# KiCad board hoember_panel.kicad_pcb (continued)
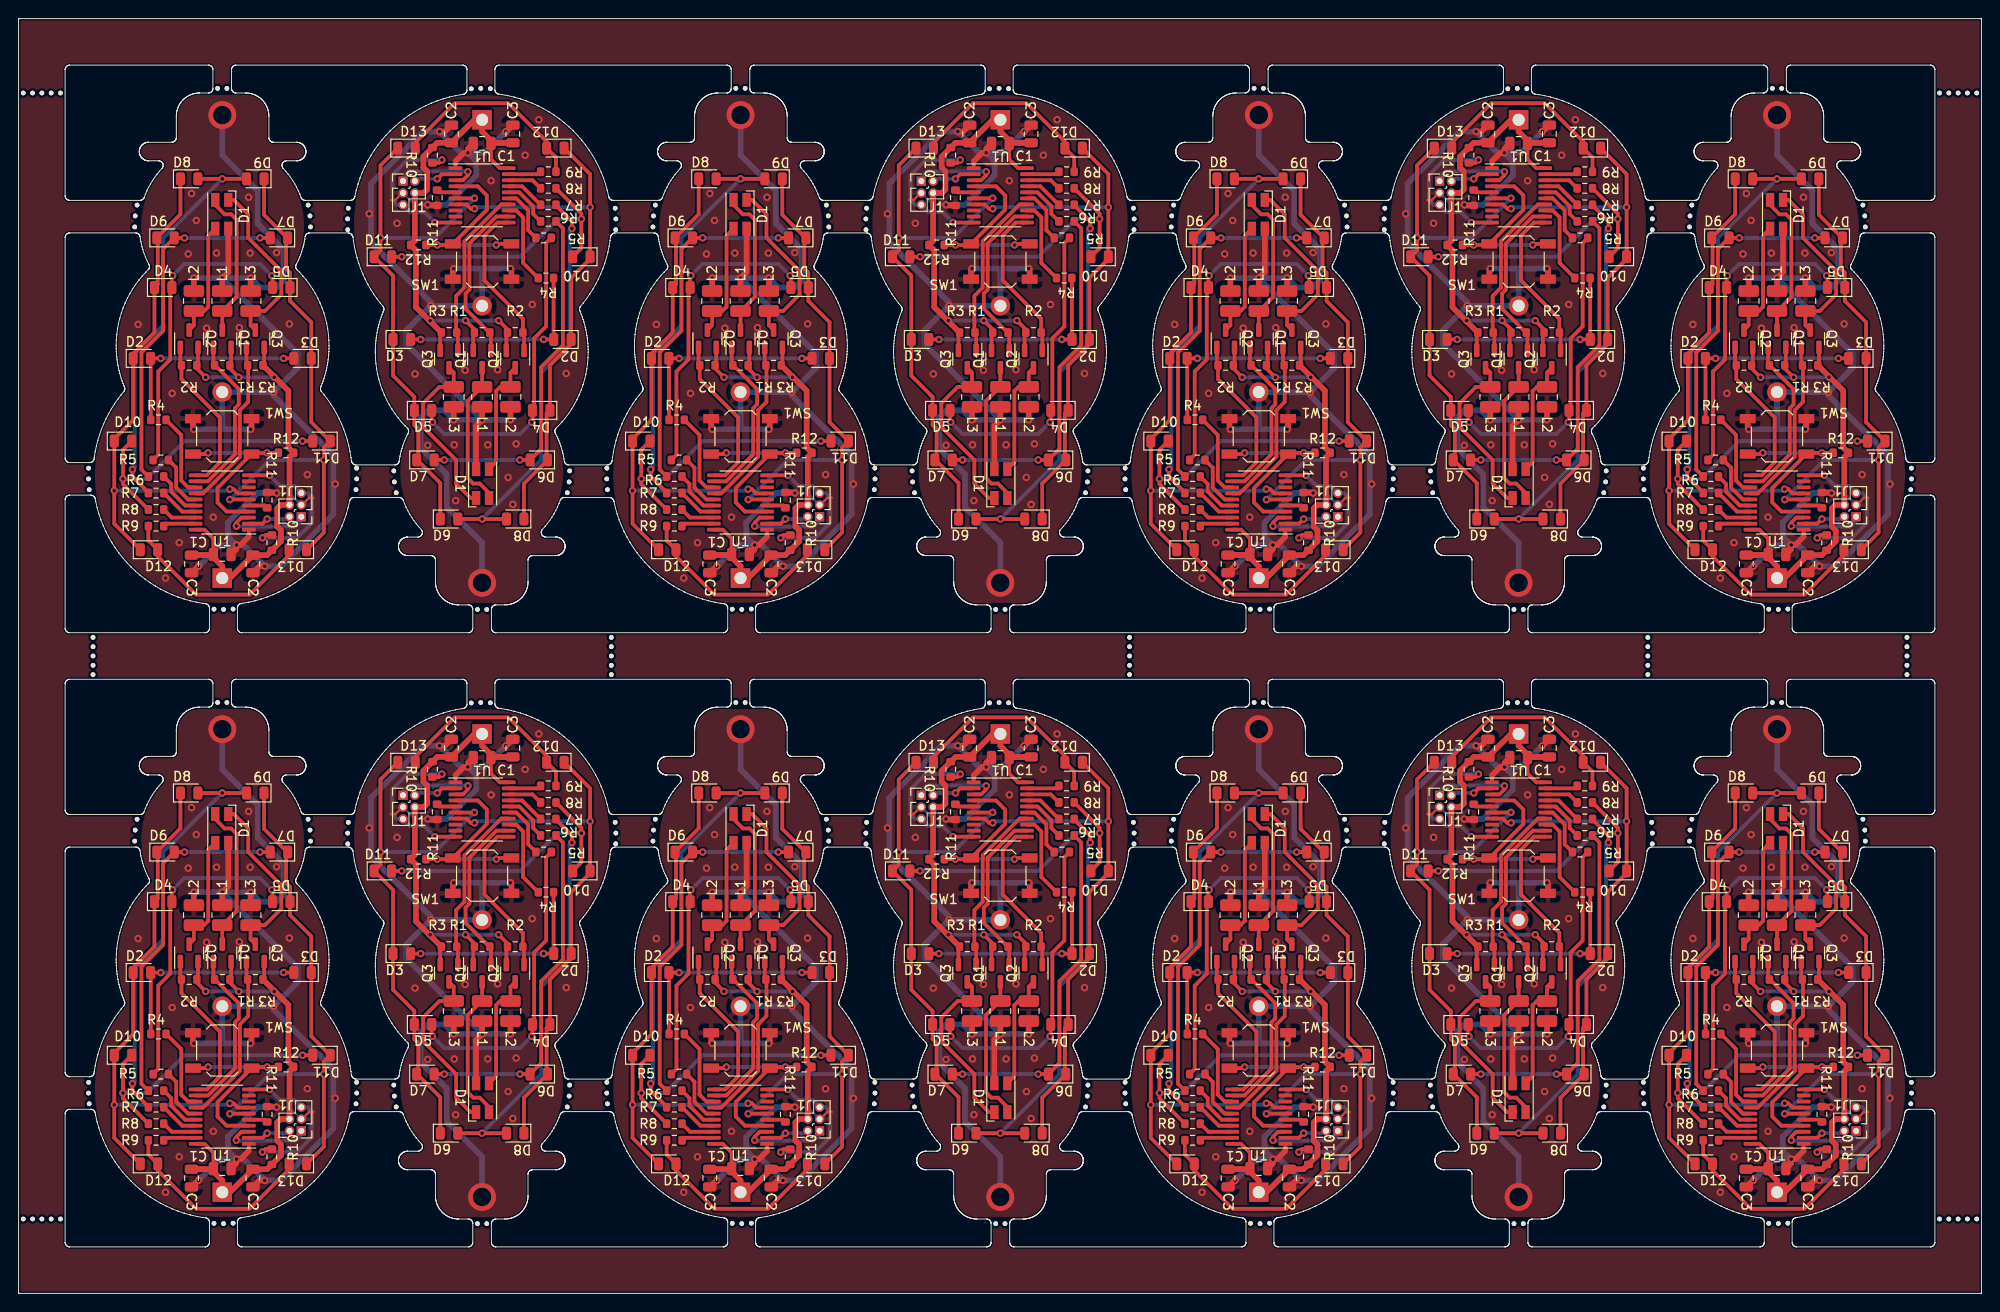
[diagram p0: board, top side]
## Routing (per net, layer and track width the routed paths; a pad name or vN(x,y) marks a point on that pad's centre or on a via; arc(x,y) is an arc through that point) (continued)
Board_2-/G: length 18.6
  Top w0.406: U1#6.14 75.53,86.01 79.49,89.97 79.49,94.95 80.38,95.85 80.38,99.73 R3#13.2 80.2,99.92 Q3#14.1
Board_2-/L1: length 9
  Top w0.406: U1#6.13 73.93,86.66 73.19,87.4 73.19,92.3 R4#9.2
Board_2-/L2: length 5.9
  Top w0.406: U1#6.15 73.93,85.36 72.64,86.65 72.64,88.78 R5#4.2
Board_2-/L3: length 5.2
  Top w0.406: R6#13.2 72.11,87.03 72.11,86.21 73.6,84.71 U1#6.16
Board_2-/L4: length 4.2
  Top w0.406: R7#13.2 73.29,84.06 U1#6.17
Board_2-/L5: length 3.8
  Top w0.406: R8#9.2 72.17,83.41 U1#6.18
Board_2-/L6: length 3.5
  Top w0.406: U1#6.19 71.57,82.76 R9#11.2
Board_2-/MPX1: length 58.3
  Top w0.406: D5#12.1 84.88,109.75 84.45,110.18 84.45,113.31 D7#14.1 84.57,113.49 82.08,115.98 D9#14.1 ; D5#12.1 84.62,108.41 ; D5#12.1 84.88,106.71 87.16,104.42 D3#8.1 87.16,93.68 D11#4.1 88.51,90.96 88.51,81.82 D13#2.1 ; U1#6.6 78.43,85.36 v1(78.42,85.35)
  Bottom w0.406: v1(78.42,85.35) 79.16,86.09 79.16,86.09 82.67,89.61 v1(88.51,89.61)
Board_2-/MPX2: length 59
  Top w0.406: v1(78.41,86.48) 78.81,86.48 79.28,86.01 U1#6.7 ; D12.1 65.99,82.75 v1(65.99,86.31) D10#9.1 65.99,91.87 68.02,93.91 D2#6.1 68.02,101.03 70.3,103.32 D4#7.1 70.66,108.51 70.66,113.62 ; D8#2.1 73.1,116.03 D6.1
  Bottom w0.406: 78.32,86.56 v1(78.41,86.48) 78.24,86.31 v1(65.99,86.31)
Board_2-/nRST: length 17.6
  Top w0.406: v1(81.91,81.23) 82.23,81.55 R10#2.2 ; v1(82.67,87.96) U1#6.10
  Bottom w0.406: v1(82.67,87.96) 83.82,86.82 85.32,86.82 J1#10.5 86.74,86.05 87.24,85.55 87.24,82.86 85.62,81.23 v1(81.91,81.23)
Board_2-/R: length 17.3
  Top w0.406: Q2#9.1 73.08,99.92 R2#5.2 73.21,98.31 77.34,94.18 77.34,89.36 75.94,87.96 U1#6.11
Board_2-/SWC: length 9.6
  Top w0.406: U1#6.3 79.65,83.41 79.11,82.88 v1(79.11,82.5)
  Bottom w0.406: v1(79.11,82.5) 79.16,82.46 85.42,82.46 86.09,83.12 J1#10.1
Board_2-/SWD: length 4.7
  Top w0.406: v1(82.42,83.26) 81.92,82.76 U1#6.2
  Bottom w0.406: J1#10.2 84.57,83.26 v1(82.42,83.26)
Board_2-GND: length 131.7
  Top w0.254: J1#10.3 86.17,84.78 86.94,85.55 87.4,85.55
  Top w0.406: U1#6.1 80.45,81.36
  Top w0.61: SW1#9.2 80.74,93.02 v1(80.64,92.91) 80.64,93.17 ; v1(83.43,86.06) 83.37,86.12 R11#5.1 ; L2#8.2 v1(74.54,109.17) ; C2.2 81.59,78.18 v1(82.16,78.18) ; SW1#9.2 74.44,93.02 v1(74.54,92.91) ; v1(75.05,78.18) 74.98,78.18 C3#7.2 ; C1#7.1 79.11,80.03 v1(79.11,80.47) 79.56,80.47 80.45,81.36 ; L1#3.2 v1(77.59,109.17) 78.24,109.82 D1#7.1 ; L3#9.2 v1(80.64,109.17)
  Bottom w0.254: J1#10.3 86.08,84.78 84.8,86.06 v1(83.43,86.06)
  Bottom w0.61: v1(83.11,96.91) BT1#11.2 77.59,92.91 ; v1(83.11,96.91) 85.72,99.52 85.72,101.04 v1(77.59,109.17) ; v1(83.11,96.91) 83.11,96.54 89.53,90.12 89.53,87.22 v1(89.73,87.02) 89.53,86.82 89.53,83.77 83.94,78.18 v1(82.16,78.18) 79.88,80.47 v1(79.11,80.47) ; 77.59,92.91 v1(74.54,92.91) ; 77.59,92.91 v1(80.64,92.91) ; v1(79.11,80.47) 77.34,80.47 v1(75.05,78.18) ; v1(79.11,80.47) 78.21,81.37 78.21,82.87 81.39,86.06 v1(83.43,86.06) ; v2(77.6,126.7) 77.6,122.37 81.4,118.57 81.4,115.02 84.19,112.23 84.19,108.92 83.43,108.15 81.65,108.15 v1(80.64,109.17) v1(74.54,109.17)
  vias: v1(68.55,104.19) v1(71.49,76.91) v1(72.21,96.77) v1(72.97,80.72) v1(73.93,111.76) v1(74.29,118.26) v1(74.8,115.37) v1(75.91,103.78) v1(76.63,83.46) v1(76.98,111.86) v1(79.42,103.84) v1(80.44,117.86) v1(80.59,111.86) v1(83.43,111.91) v1(84.8,104.24) v1(86.73,88.04)
Board_2-Net-(D1-BK): length 16
  Top w0.406: Q1#13.3 L1#3.1 77.63,105.63 79.14,107.14 79.14,115.45 78.56,116.03 77.84,116.03 76.84,117.03 D1#7.4
Board_2-Net-(D1-GK): length 19.2
  Top w0.406: D1#7.3 78.83,117.58 80.38,116.03 80.38,113.49 83.94,109.93 83.94,107.39 82.18,105.63 L3#9.1 80.64,104.09 Q3#14.3
Board_2-Net-(D1-RK): length 12.7
  Top w0.406: Q2#9.3 74.54,104.09 L2#8.1 75.64,105.63 76.09,106.08 76.09,113.73 D1#7.2
Board_2-Net-(D2-A): length 22.4
  Top w0.406: D2#6.2 69.91,100.52 R4#9.1 ; D2#6.2 69.97,100.46 ; D2#6.2 v1(70.99,100.53) 70.73,100.53 ; D3#8.2 v1(84.19,100.53)
  Bottom w0.406: v1(70.99,100.53) v1(84.19,100.53)
Board_2-Net-(D4-A): length 33.8
  Top w0.406: D4#7.2 72,107.98 72,100.41 70.71,99.12 70.71,90.16 R5#4.1 ; D4#7.2 72.18,109.35 v1(72.26,109.42) ; D4#7.2 72.26,108.08 ; D5#12.2 83,109.35 v1(82.92,109.42)
  Bottom w0.406: v1(72.26,109.42) 73.53,110.69 81.65,110.69 v1(82.92,109.42)
Board_2-Net-(D6-A): length 38
  Top w0.406: D7#14.2 v1(81.65,113.49) 81.91,113.49 ; v1(73.53,113.49) D6.2 71.24,112.3 71.24,103.5 68.91,101.17 68.91,88.58 R6#13.1
  Bottom w0.406: v1(73.53,113.49) v1(81.65,113.49)
Board_2-Net-(D8-A): length 43.8
  Top w0.406: R7#13.1 69.72,86.06 67.94,87.83 v1(67.94,88.6) ; D9#14.2 v1(77.59,119.84) D8#2.2
  Bottom w0.406: v1(77.59,119.84) 71.24,113.49 71.24,104.09 68.19,101.04 68.19,88.85 v1(67.94,88.6)
Board_2-Net-(D10-A): length 31.2
  Top w0.406: 86.48,91.64 v1(86.23,91.64) D11#4.2 ; R8#9.1 66.92,87.01 v1(66.92,87.58) 66.92,90.71 D10#9.2
  Bottom w0.406: v1(86.23,91.64) 73.53,91.64 69.46,87.58 v1(66.92,87.58)
Board_2-Net-(D12-A): length 21.8
  Top w0.406: D13#2.2 84.78,79.38 80.54,75.13 74.78,75.13 70.65,79.26 D12.2 69.65,80.96 R9#11.1
Board_2-Net-(SW1A-A): length 21.5
  Top w0.406: v1(76.07,90.37) 75.94,90.25 SW1#9.1 ; U1#6.4 78.06,84.06 77.08,85.04 77.08,86.59 SW1#9.1 80.86,90.37 v1(82.42,90.37) R12#14.1
  Bottom w0.406: v1(82.42,90.37) v1(76.07,90.37)
Board_2-Net-(U1-PB6/PF4-BOOT0): length 2.1
  Top w0.406: R11#5.2 82.17,84.71 U1#6.5
Board_2-VCC: length 58.1
  Top w0.406: Q1#13.2 78.54,99.92 R1#9.1 78.42,99.45 v1(79.37,98.5) ; Q2#9.2 74.98,99.92 R2#5.1 74.86,99.45 v1(75.81,98.5) ; Q3#14.2 82.1,99.92 R3#13.1 ; U1#6.20 75.69,82.11 76.64,81.16 C1#7.2
  Top w0.61: 84.57,84.78 83.86,84.78 83.5,84.42 83.5,82.45 83.9,82.04 83.9,80.88 R10#2.1 82.41,79.39 C2.1 78.42,76.91 BT1#11.1 77.59,78.18 76.39,79.39 C3#7.1 76.57,79.39 C1#7.2 ; J1#10.4 84.82,89.92 R12#14.2 84.7,90.94 84.7,97.06 R3#13.1 ; 77.6,76.91 77.02,76.91
  Bottom w0.406: v1(75.81,98.5) v1(83.18,98.5)
Board_3-/B: length 18.2
  Top w0.406: U1#7.12 107.06,115.79 104.16,112.89 104.16,107.93 103.74,107.51 103.74,105.87 106.3,103.31 R1#4.2 106.47,103.19 Q1#8.1
Board_3-/G: length 18.6
  Top w0.406: Q3#5.1 102.92,103.19 R3#9.2 102.73,103.37 102.73,107.25 103.63,108.15 103.63,113.13 107.58,117.09 U1#7.14
Board_3-/L1: length 9
  Top w0.406: R4#10.2 109.93,110.8 109.93,115.7 109.19,116.44 U1#7.13
Board_3-/L2: length 5.9
  Top w0.406: U1#7.15 109.19,117.74 110.47,116.45 110.47,114.32 R5#6.2
Board_3-/L3: length 5.2
  Top w0.406: R6#8.2 111.01,116.07 111.01,116.9 109.52,118.39 U1#7.16
Board_3-/L4: length 4.2
  Top w0.406: U1#7.17 109.82,119.04 R7#3.2
Board_3-/L5: length 3.8
  Top w0.406: R8.2 110.95,119.69 U1#7.18
Board_3-/L6: length 3.5
  Top w0.406: R9#3.2 111.54,120.34 U1#7.19
Board_3-/MPX1: length 58.3
  Top w0.406: D13#8.1 94.6,121.29 94.6,112.14 D11#2.1 95.95,109.43 D3#6.1 95.95,98.68 98.24,96.39 D5#9.1 ; 98.49,94.69 D5#9.1 ; D5#9.1 98.24,93.35 98.66,92.92 98.66,89.79 D7#6.1 98.54,89.61 101.03,87.12 D9#8.1 ; v1(104.7,117.75) 104.68,117.74 U1#7.6
  Bottom w0.406: v1(94.6,113.49) 100.44,113.49 103.96,117.01 103.96,117.01 v1(104.7,117.75)
Board_3-/MPX2: length 59
  Top w0.406: v1(104.7,116.62) 104.3,116.62 103.84,117.09 U1#7.7 ; D6#7.1 110.02,87.07 D8#7.1 ; 112.45,89.49 112.45,94.59 D4#13.1 112.81,99.78 115.1,102.07 D2#7.1 115.1,109.2 117.13,111.23 D10#2.1 v1(117.13,116.79) 117.13,120.35 D12#14.1
  Bottom w0.406: v1(117.13,116.79) 104.87,116.79 v1(104.7,116.62) 104.79,116.54
Board_3-/nRST: length 17.6
  Top w0.406: v1(101.2,121.87) 100.89,121.56 R10#13.2 ; v1(100.44,115.14) U1#7.10
  Bottom w0.406: v1(100.44,115.14) 99.3,116.28 97.79,116.28 J1#13.5 96.37,117.05 95.87,117.55 95.87,120.24 97.5,121.87 v1(101.2,121.87)
Board_3-/R: length 17.3
  Top w0.406: Q2#8.1 110.03,103.19 R2#3.2 109.9,104.79 105.78,108.92 105.78,113.74 107.17,115.14 U1#7.11
Board_3-/SWC: length 9.6
  Top w0.406: v1(104,120.6) 104,120.22 103.46,119.69 U1#7.3
  Bottom w0.406: v1(104,120.6) 103.96,120.64 97.69,120.64 97.02,119.98 J1#13.1
Board_3-/SWD: length 4.7
  Top w0.406: v1(100.7,119.84) 101.19,120.34 U1#7.2
  Bottom w0.406: J1#13.2 98.54,119.84 v1(100.7,119.84)
Board_3-GND: length 131.7
  Top w0.254: J1#13.3 96.94,118.32 96.18,117.55 95.72,117.55
  Top w0.406: U1#7.1 102.66,121.74
  Top w0.61: L2#11.2 v1(108.57,93.93) ; v1(99.68,117.05) 99.74,116.98 R11#10.1 ; SW1#10.2 102.37,110.09 v1(102.47,110.19) 102.47,109.93 ; D1#3.1 104.87,93.28 v1(105.52,93.93) L1#4.2 ; C2#3.2 101.52,124.92 v1(100.95,124.92) ; 102.66,121.74 103.56,122.63 v1(104,122.63) 104,123.08 C1#8.1 ; SW1#10.2 108.67,110.09 v1(108.57,110.19) ; L3#8.2 v1(102.47,93.93) ; v1(108.06,124.92) 108.13,124.92 C3#4.2
  Bottom w0.254: J1#13.3 97.03,118.32 98.31,117.05 v1(99.68,117.05)
  Bottom w0.61: v1(100,106.19) 100,106.57 93.58,112.98 93.58,115.88 v1(93.38,116.08) 93.58,116.28 93.58,119.33 99.17,124.92 v1(100.95,124.92) 103.24,122.63 v1(104,122.63) ; v1(100,106.19) 97.39,103.58 97.39,102.06 v1(105.52,93.93) ; v1(100,106.19) BT1#3.2 105.52,110.19 ; v1(108.06,124.92) 105.78,122.63 v1(104,122.63) ; 105.52,110.19 v1(102.47,110.19) ; 105.52,110.19 v1(108.57,110.19) ; v1(108.57,93.93) v1(102.47,93.93) 101.46,94.95 99.68,94.95 98.92,94.19 98.92,90.87 101.71,88.08 101.71,84.53 105.51,80.73 v2(105.51,76.41) ; v1(104,122.63) 104.9,121.73 104.9,120.23 101.72,117.05 v1(99.68,117.05)
  vias: v1(96.38,115.06) v1(98.31,98.86) v1(99.68,91.19) v1(102.53,91.24) v1(102.68,85.25) v1(103.69,99.27) v1(106.13,91.24) v1(106.49,119.64) v1(107.2,99.32) v1(108.32,87.73) v1(108.82,84.84) v1(109.18,91.34) v1(110.15,122.38) v1(110.91,106.33) v1(111.62,126.19) v1(114.57,98.91)
Board_3-Net-(D1-BK): length 16
  Top w0.406: D1#3.4 106.27,86.07 105.27,87.07 104.56,87.07 103.98,87.65 103.98,95.96 105.48,97.47 L1#4.1 Q1#8.3
Board_3-Net-(D1-GK): length 19.2
  Top w0.406: D1#3.3 104.28,85.52 102.73,87.07 102.73,89.61 99.17,93.17 99.17,95.71 100.93,97.47 L3#8.1 102.47,99.01 Q3#5.3
Board_3-Net-(D1-RK): length 12.7
  Top w0.406: D1#3.2 107.03,89.38 107.03,97.02 107.47,97.47 L2#11.1 108.57,99.01 Q2#8.3
Board_3-Net-(D2-A): length 22.4
  Top w0.406: R4#10.1 113.21,102.58 D2#7.2 ; D3#6.2 v1(98.92,102.57) ; D2#7.2 v1(112.13,102.57) 112.38,102.57 ; D2#7.2 113.14,102.65
  Bottom w0.406: v1(112.13,102.57) v1(98.92,102.57)
Board_3-Net-(D4-A): length 33.8
  Top w0.406: v1(110.86,93.68) 110.94,93.76 D4#13.2 ; v1(100.19,93.68) 100.11,93.76 D5#9.2 ; 110.86,95.03 D4#13.2 ; D4#13.2 111.11,95.12 111.11,102.69 112.4,103.98 112.4,112.94 R5#6.1
  Bottom w0.406: v1(110.86,93.68) 109.59,92.41 101.46,92.41 v1(100.19,93.68)
Board_3-Net-(D6-A): length 38
  Top w0.406: D7#6.2 v1(101.46,89.61) 101.2,89.61 ; v1(109.59,89.61) D6#7.2 111.87,90.81 111.87,99.6 114.21,101.93 114.21,114.52 R6#8.1
  Bottom w0.406: v1(109.59,89.61) v1(101.46,89.61)
Board_3-Net-(D8-A): length 43.8
  Top w0.406: R7#3.1 113.4,117.05 115.17,115.27 v1(115.17,114.51) ; D8#7.2 v1(105.52,83.26) D9#8.2
  Bottom w0.406: v1(115.17,114.51) 114.92,114.25 114.92,102.06 111.87,99.01 111.87,89.61 v1(105.52,83.26)
Board_3-Net-(D10-A): length 31.2
  Top w0.406: D10#2.2 116.19,112.4 v1(116.19,115.52) 116.19,116.09 R8.1 ; 96.63,111.46 v1(96.89,111.46) D11#2.2
  Bottom w0.406: v1(116.19,115.52) 113.65,115.52 109.59,111.46 v1(96.89,111.46)
Board_3-Net-(D12-A): length 21.8
  Top w0.406: D13#8.2 98.33,123.72 102.58,127.97 108.33,127.97 112.46,123.84 D12#14.2 113.46,122.14 R9#3.1
Board_3-Net-(SW1A-A): length 21.5
  Top w0.406: R12#9.1 v1(100.7,112.73) 102.25,112.73 SW1#10.1 106.03,116.51 106.03,118.06 105.06,119.04 U1#7.4 ; SW1#10.1 107.17,112.85 v1(107.05,112.73)
  Bottom w0.406: v1(100.7,112.73) v1(107.05,112.73)
Board_3-Net-(U1-PB6/PF4-BOOT0): length 2.1
  Top w0.406: R11#10.2 100.94,118.39 U1#7.5
Board_3-VCC: length 58.1
  Top w0.406: v1(107.3,104.6) 108.25,103.65 R2#3.1 108.13,103.19 Q2#8.2 ; Q3#5.2 101.02,103.19 R3#9.1 ; v1(103.74,104.6) 104.7,103.65 R1#4.1 104.57,103.19 Q1#8.2 ; C1#8.2 106.47,121.94 107.42,120.99 U1#7.20
  Top w0.61: 98.55,118.32 99.25,118.32 99.62,118.68 99.62,120.65 99.21,121.06 99.21,122.23 R10#13.1 100.7,123.72 C2#3.1 104.69,126.19 BT1#3.1 105.52,124.92 106.73,123.72 C3#4.1 106.54,123.72 C1#8.2 ; R3#9.1 98.41,106.04 98.41,112.16 R12#9.2 98.29,113.18 J1#13.4 ; 105.51,126.19 106.1,126.19
  Bottom w0.406: v1(107.3,104.6) v1(99.93,104.6)
Board_4-/B: length 18.2
  Top w0.406: U1#13.12 131.76,87.31 134.66,90.21 134.66,95.18 135.07,95.59 135.07,97.23 132.51,99.79 R1#5.2 132.35,99.92 Q1#5.1
Board_4-/G: length 18.6
  Top w0.406: U1#13.14 131.23,86.01 135.19,89.97 135.19,94.95 136.09,95.85 136.09,99.73 R3#11.2 135.9,99.92 Q3#3.1
Board_4-/L1: length 9
  Top w0.406: U1#13.13 129.63,86.66 128.89,87.4 128.89,92.3 R4.2
Board_4-/L2: length 5.9
  Top w0.406: U1#13.15 129.63,85.36 128.34,86.65 128.34,88.78 R5#13.2
Board_4-/L3: length 5.2
  Top w0.406: U1#13.16 129.3,84.71 127.81,86.21 127.81,87.03 R6#5.2
Board_4-/L4: length 4.2
  Top w0.406: R7#2.2 129,84.06 U1#13.17
Board_4-/L5: length 3.8
  Top w0.406: U1#13.18 127.87,83.41 R8#8.2
Board_4-/L6: length 3.5
  Top w0.406: U1#13.19 127.27,82.76 R9#6.2
Board_4-/MPX1: length 58.3
  Top w0.406: U1#13.6 134.14,85.36 v1(134.12,85.35) ; D5#7.1 140.58,106.71 142.87,104.42 D3#10.1 142.87,93.68 D11#8.1 144.22,90.96 144.22,81.82 D13#5.1 ; D5#7.1 140.58,109.75 140.15,110.18 140.15,113.31 D7#5.1 140.28,113.49 137.79,115.98 D9#13.1 ; D5#7.1 140.33,108.41
  Bottom w0.406: v1(134.12,85.35) 134.86,86.09 134.86,86.09 138.38,89.61 v1(144.22,89.61)
Board_4-/MPX2: length 59
  Top w0.406: D12#5.1 121.69,82.75 v1(121.69,86.31) D10#4.1 121.69,91.87 123.72,93.91 D2#12.1 123.72,101.03 126.01,103.32 D4#8.1 126.36,108.51 126.36,113.62 ; D6#2.1 128.8,116.03 D8#10.1 ; U1#13.7 134.98,86.01 134.52,86.48 v1(134.11,86.48)
  Bottom w0.406: 134.03,86.56 v1(134.11,86.48) 133.95,86.31 v1(121.69,86.31)
Board_4-/nRST: length 17.6
  Top w0.406: v1(138.38,87.96) U1#13.10 ; v1(137.61,81.23) 137.93,81.55 R10#14.2
  Bottom w0.406: v1(137.61,81.23) 141.32,81.23 142.95,82.86 142.95,85.55 142.44,86.05 J1#7.5 141.03,86.82 139.52,86.82 v1(138.38,87.96)
Board_4-/R: length 17.3
  Top w0.406: Q2#6.1 128.79,99.92 R2#2.2 128.91,98.31 133.04,94.18 133.04,89.36 131.65,87.96 U1#13.11
Board_4-/SWC: length 9.6
  Top w0.406: U1#13.3 135.36,83.41 134.82,82.88 v1(134.82,82.5)
  Bottom w0.406: J1#7.1 141.79,83.12 141.13,82.46 134.86,82.46 v1(134.82,82.5)
Board_4-/SWD: length 4.7
  Top w0.406: v1(138.12,83.26) 137.62,82.76 U1#13.2
  Bottom w0.406: v1(138.12,83.26) 140.28,83.26 J1#7.2
Board_4-GND: length 131.7
  Top w0.254: J1#7.3 141.88,84.78 142.64,85.55 143.1,85.55
  Top w0.406: U1#13.1 136.16,81.36
  Top w0.61: v1(139.14,86.06) 139.07,86.12 R11.1 ; L2#7.2 v1(130.25,109.17) ; 136.34,93.17 v1(136.34,92.91) 136.45,93.02 SW1#11.2 ; L3#12.2 v1(136.34,109.17) ; C1#14.1 134.82,80.03 v1(134.82,80.47) 135.26,80.47 136.16,81.36 ; v1(137.87,78.18) 137.29,78.18 C2#13.2 ; D1#14.1 133.94,109.82 v1(133.3,109.17) L1.2 ; v1(130.25,92.91) 130.15,93.02 SW1#11.2 ; v1(130.76,78.18) 130.69,78.18 C3#9.2
  Bottom w0.254: J1#7.3 141.78,84.78 140.51,86.06 v1(139.14,86.06)
  Bottom w0.61: 133.3,92.91 v1(136.34,92.91) ; 133.3,92.91 v1(130.25,92.91) ; 133.3,92.91 BT1#14.2 v1(138.82,96.91) ; v1(138.82,96.91) 138.82,96.54 145.23,90.12 145.23,87.22 v1(145.44,87.02) 145.23,86.82 145.23,83.77 139.65,78.18 v1(137.87,78.18) 135.58,80.47 v1(134.82,80.47) ; v1(138.82,96.91) 141.42,99.52 141.42,101.04 v1(133.3,109.17) ; v1(130.25,109.17) v1(136.34,109.17) 137.36,108.15 139.14,108.15 139.9,108.92 139.9,112.23 137.11,115.02 137.11,118.57 133.3,122.37 v2(133.3,126.7) ; v1(134.82,80.47) 133.04,80.47 v1(130.76,78.18) ; v1(134.82,80.47) 133.91,81.37 133.91,82.87 137.1,86.06 v1(139.14,86.06)
  vias: v1(124.25,104.19) v1(127.2,76.91) v1(127.91,96.77) v1(128.67,80.72) v1(129.64,111.76) v1(129.99,118.26) v1(130.5,115.37) v1(131.62,103.78) v1(132.33,83.46) v1(132.69,111.86) v1(135.12,103.84) v1(136.14,117.86) v1(136.29,111.86) v1(139.14,111.91) v1(140.51,104.24) v1(142.44,88.04)
Board_4-Net-(D1-BK): length 16
  Top w0.406: Q1#5.3 L1.1 133.34,105.63 134.84,107.14 134.84,115.45 134.26,116.03 133.55,116.03 132.54,117.03 D1#14.4
Board_4-Net-(D1-GK): length 19.2
  Top w0.406: D1#14.3 134.54,117.58 136.09,116.03 136.09,113.49 139.65,109.93 139.65,107.39 137.89,105.63 L3#12.1 136.34,104.09 Q3#3.3
Board_4-Net-(D1-RK): length 12.7
  Top w0.406: D1#14.2 131.79,113.73 131.79,106.08 131.35,105.63 L2#7.1 130.25,104.09 Q2#6.3
Board_4-Net-(D2-A): length 22.4
  Top w0.406: 125.68,100.46 D2#12.2 ; D2#12.2 v1(126.69,100.53) 126.44,100.53 ; D2#12.2 125.61,100.52 R4.1 ; D3#10.2 v1(139.9,100.53)
  Bottom w0.406: v1(126.69,100.53) v1(139.9,100.53)
Board_4-Net-(D4-A): length 33.8
  Top w0.406: v1(138.63,109.42) 138.71,109.35 D5#7.2 ; D4#8.2 127.88,109.35 v1(127.96,109.42) ; D4#8.2 127.96,108.08 ; D4#8.2 127.71,107.98 127.71,100.41 126.42,99.12 126.42,90.16 R5#13.1
  Bottom w0.406: v1(138.63,109.42) 137.36,110.69 129.23,110.69 v1(127.96,109.42)
Board_4-Net-(D6-A): length 38
  Top w0.406: D7#5.2 v1(137.36,113.49) 137.61,113.49 ; v1(129.23,113.49) D6#2.2 126.95,112.3 126.95,103.5 124.61,101.17 124.61,88.58 R6#5.1
  Bottom w0.406: v1(129.23,113.49) v1(137.36,113.49)
Board_4-Net-(D8-A): length 43.8
  Top w0.406: R7#2.1 125.42,86.06 123.64,87.83 v1(123.64,88.6) ; D8#10.2 v1(133.3,119.84) D9#13.2
  Bottom w0.406: v1(123.64,88.6) 123.9,88.85 123.9,101.04 126.95,104.09 126.95,113.49 v1(133.3,119.84)
Board_4-Net-(D10-A): length 31.2
  Top w0.406: D10#4.2 122.63,90.71 v1(122.63,87.58) 122.63,87.01 R8#8.1 ; 142.19,91.64 v1(141.93,91.64) D11#8.2
  Bottom w0.406: v1(141.93,91.64) 129.23,91.64 125.17,87.58 v1(122.63,87.58)
Board_4-Net-(D12-A): length 21.8
  Top w0.406: D13#5.2 140.49,79.38 136.24,75.13 130.48,75.13 126.36,79.26 D12#5.2 125.36,80.96 R9#6.1
Board_4-Net-(SW1A-A): length 21.5
  Top w0.406: SW1#11.1 131.65,90.25 v1(131.77,90.37) ; R12#2.1 v1(138.12,90.37) 136.57,90.37 SW1#11.1 132.79,86.59 132.79,85.04 133.76,84.06 U1#13.4
  Bottom w0.406: v1(138.12,90.37) v1(131.77,90.37)
Board_4-Net-(U1-PB6/PF4-BOOT0): length 2.1
  Top w0.406: U1#13.5 137.88,84.71 R11.2
Board_4-VCC: length 58.1
  Top w0.406: v1(135.07,98.5) 134.12,99.45 R1#5.1 134.25,99.92 Q1#5.2 ; C1#14.2 132.35,81.16 131.39,82.11 U1#13.20 ; Q3#3.2 137.8,99.92 R3#11.1 ; v1(131.52,98.5) 130.56,99.45 R2#2.1 130.69,99.92 Q2#6.2
  Top w0.61: C1#14.2 132.28,79.39 C3#9.1 132.09,79.39 133.3,78.18 BT1#14.1 134.12,76.91 C2#13.1 138.12,79.39 R10#14.1 139.61,80.88 139.61,82.04 139.2,82.45 139.2,84.42 139.56,84.78 140.27,84.78 ; R3#11.1 140.41,97.06 140.41,90.94 R12#2.2 140.52,89.92 J1#7.4 ; 133.3,76.91 132.72,76.91
  Bottom w0.406: v1(131.52,98.5) v1(138.88,98.5)
Board_5-/B: length 18.2
  Top w0.406: Q1.1 162.18,103.19 R1.2 162.01,103.31 159.45,105.87 159.45,107.51 159.86,107.93 159.86,112.89 162.76,115.79 U1#14.12
Board_5-/G: length 18.6
  Top w0.406: U1#14.14 163.29,117.09 159.33,113.13 159.33,108.15 158.43,107.25 158.43,103.37 R3#2.2 158.62,103.19 Q3#8.1
Board_5-/L1: length 9
  Top w0.406: U1#14.13 164.89,116.44 165.63,115.7 165.63,110.8 R4#4.2
Board_5-/L2: length 5.9
  Top w0.406: R5#12.2 166.18,114.32 166.18,116.45 164.89,117.74 U1#14.15
Board_5-/L3: length 5.2
  Top w0.406: R6#14.2 166.71,116.07 166.71,116.9 165.22,118.39 U1#14.16
Board_5-/L4: length 4.2
  Top w0.406: R7#11.2 165.52,119.04 U1#14.17
Board_5-/L5: length 3.8
  Top w0.406: U1#14.18 166.65,119.69 R8#5.2
Board_5-/L6: length 3.5
  Top w0.406: U1#14.19 167.25,120.34 R9.2
Board_5-/MPX1: length 58.3
  Top w0.406: D5#5.1 153.94,93.35 154.37,92.92 154.37,89.79 D7#13.1 154.24,89.61 156.73,87.12 D9#2.1 ; D5#5.1 153.94,96.39 151.65,98.68 D3#4.1 151.65,109.43 D11.1 150.31,112.14 150.31,121.29 D13#7.1 ; D5#5.1 154.19,94.69 ; U1#14.6 160.39,117.74 v1(160.4,117.75)
  Bottom w0.406: v1(160.4,117.75) 159.66,117.01 159.66,117.01 156.14,113.49 v1(150.31,113.49)
Board_5-/MPX2: length 59
  Top w0.406: v1(160.41,116.62) 160,116.62 159.54,117.09 U1#14.7 ; D8#8.1 165.72,87.07 D6#9.1 ; 168.16,89.49 168.16,94.59 D4#3.1 168.51,99.78 170.8,102.07 D2.1 170.8,109.2 172.83,111.23 D10#14.1 v1(172.83,116.79) 172.83,120.35 D12#4.1
  Bottom w0.406: 160.5,116.54 v1(160.41,116.62) 160.58,116.79 v1(172.83,116.79)
Board_5-/nRST: length 17.6
  Top w0.406: v1(156.91,121.87) 156.59,121.56 R10#5.2 ; v1(156.15,115.14) U1#14.10
  Bottom w0.406: v1(156.15,115.14) 155,116.28 153.5,116.28 J1.5 152.08,117.05 151.58,117.55 151.58,120.24 153.2,121.87 v1(156.91,121.87)
Board_5-/R: length 17.3
  Top w0.406: U1#14.11 162.87,115.14 161.48,113.74 161.48,108.92 165.61,104.79 R2#14.2 165.73,103.19 Q2#5.1
Board_5-/SWC: length 9.6
  Top w0.406: v1(159.7,120.6) 159.7,120.22 159.17,119.69 U1#14.3
  Bottom w0.406: J1.1 152.73,119.98 153.39,120.64 159.66,120.64 v1(159.7,120.6)
Board_5-/SWD: length 4.7
  Top w0.406: U1#14.2 156.9,120.34 v1(156.4,119.84)
  Bottom w0.406: J1.2 154.25,119.84 v1(156.4,119.84)
Board_5-GND: length 131.7
  Top w0.254: J1.3 152.65,118.32 151.88,117.55 151.42,117.55
  Top w0.406: U1#14.1 158.36,121.74
  Top w0.61: v1(164.28,110.19) 164.38,110.09 SW1.2 ; SW1.2 158.08,110.09 v1(158.18,110.19) 158.18,109.93 ; L2#4.2 v1(164.28,93.93) ; R11#6.1 155.45,116.98 v1(155.39,117.05) ; 158.36,121.74 159.26,122.63 v1(159.7,122.63) 159.7,123.08 C1#13.1 ; L1#2.2 v1(161.23,93.93) 160.58,93.28 D1#5.1 ; L3#10.2 v1(158.18,93.93) ; v1(163.77,124.92) 163.83,124.92 C3#10.2 ; C2#5.2 157.23,124.92 v1(156.66,124.92)
  Bottom w0.254: v1(155.39,117.05) 154.01,117.05 152.74,118.32 J1.3
  Bottom w0.61: v1(155.39,117.05) 157.43,117.05 160.61,120.23 160.61,121.73 v1(159.7,122.63) ; v1(161.23,93.93) 153.1,102.06 153.1,103.58 v1(155.71,106.19) ; v2(161.22,76.41) 161.22,80.73 157.42,84.53 157.42,88.08 154.62,90.87 154.62,94.19 155.39,94.95 157.16,94.95 v1(158.18,93.93) v1(164.28,93.93) ; v1(155.71,106.19) 155.71,106.57 149.29,112.98 149.29,115.88 v1(149.09,116.08) 149.29,116.28 149.29,119.33 154.88,124.92 v1(156.66,124.92) 158.94,122.63 v1(159.7,122.63) ; v1(155.71,106.19) BT1#10.2 161.23,110.19 ; v1(159.7,122.63) 161.48,122.63 v1(163.77,124.92) ; v1(164.28,110.19) 161.23,110.19 ; 161.23,110.19 v1(158.18,110.19)
  vias: v1(152.08,115.06) v1(154.01,98.86) v1(155.39,91.19) v1(158.23,91.24) v1(158.38,85.25) v1(159.4,99.27) v1(161.84,91.24) v1(162.19,119.64) v1(162.9,99.32) v1(164.02,87.73) v1(164.53,84.84) v1(164.88,91.34) v1(165.85,122.38) v1(166.61,106.33) v1(167.32,126.19) v1(170.27,98.91)
Board_5-Net-(D1-BK): length 16
  Top w0.406: Q1.3 L1#2.1 161.19,97.47 159.68,95.96 159.68,87.65 160.26,87.07 160.97,87.07 161.98,86.07 D1#5.4
Board_5-Net-(D1-GK): length 19.2
  Top w0.406: D1#5.3 159.98,85.52 158.43,87.07 158.43,89.61 154.88,93.17 154.88,95.71 156.64,97.47 L3#10.1 158.18,99.01 Q3#8.3
Board_5-Net-(D1-RK): length 12.7
  Top w0.406: D1#5.2 162.73,89.38 162.73,97.02 163.18,97.47 L2#4.1 164.28,99.01 Q2#5.3
Board_5-Net-(D2-A): length 22.4
  Top w0.406: R4#4.1 168.91,102.58 D2.2 ; 168.85,102.65 D2.2 ; D2.2 v1(167.83,102.57) 168.09,102.57 ; D3#4.2 v1(154.62,102.57)
  Bottom w0.406: v1(167.83,102.57) v1(154.62,102.57)
Board_5-Net-(D4-A): length 33.8
  Top w0.406: D5#5.2 155.81,93.76 v1(155.89,93.68) ; D4#3.2 166.64,93.76 v1(166.56,93.68) ; D4#3.2 166.56,95.03 ; D4#3.2 166.82,95.12 166.82,102.69 168.11,103.98 168.11,112.94 R5#12.1
  Bottom w0.406: v1(155.89,93.68) 157.16,92.41 165.29,92.41 v1(166.56,93.68)
Board_5-Net-(D6-A): length 38
  Top w0.406: v1(165.29,89.61) D6#9.2 167.58,90.81 167.58,99.6 169.91,101.93 169.91,114.52 R6#14.1 ; 156.91,89.61 v1(157.16,89.61) D7#13.2
  Bottom w0.406: v1(165.29,89.61) v1(157.16,89.61)
Board_5-Net-(D8-A): length 43.8
  Top w0.406: v1(170.88,114.51) 170.88,115.27 169.1,117.05 R7#11.1 ; D8#8.2 v1(161.23,83.26) D9#2.2
  Bottom w0.406: v1(161.23,83.26) 167.58,89.61 167.58,99.01 170.63,102.06 170.63,114.25 v1(170.88,114.51)
Board_5-Net-(D10-A): length 31.2
  Top w0.406: D11.2 v1(152.59,111.46) 152.34,111.46 ; D10#14.2 171.9,112.4 v1(171.9,115.52) 171.9,116.09 R8#5.1
  Bottom w0.406: v1(171.9,115.52) 169.36,115.52 165.29,111.46 v1(152.59,111.46)
Board_5-Net-(D12-A): length 21.8
  Top w0.406: R9.1 169.16,122.14 D12#4.2 168.16,123.84 164.04,127.97 158.28,127.97 154.04,123.72 D13#7.2
Board_5-Net-(SW1A-A): length 21.5
  Top w0.406: U1#14.4 160.76,119.04 161.74,118.06 161.74,116.51 SW1.1 157.96,112.73 v1(156.4,112.73) R12#11.1 ; v1(162.75,112.73) 162.87,112.85 SW1.1
  Bottom w0.406: v1(156.4,112.73) v1(162.75,112.73)
Board_5-Net-(U1-PB6/PF4-BOOT0): length 2.1
  Top w0.406: R11#6.2 156.65,118.39 U1#14.5
Board_5-VCC: length 58.1
  Top w0.406: R3#2.1 156.72,103.19 Q3#8.2 ; v1(163.01,104.6) 163.96,103.65 R2#14.1 163.83,103.19 Q2#5.2 ; Q1.2 160.28,103.19 R1.1 160.4,103.65 v1(159.45,104.6) ; U1#14.20 163.13,120.99 162.18,121.94 C1#13.2
  Top w0.61: J1.4 154,113.18 R12#11.2 154.12,112.16 154.12,106.04 R3#2.1 ; 161.22,126.19 161.8,126.19 ; C1#13.2 162.24,123.72 C3#10.1 162.43,123.72 161.23,124.92 BT1#10.1 160.4,126.19 C2#5.1 156.4,123.72 R10#5.1 154.91,122.23 154.91,121.06 155.32,120.65 155.32,118.68 154.96,118.32 154.25,118.32
  Bottom w0.406: v1(163.01,104.6) v1(155.64,104.6)
Board_6-/B: length 18.2
  Top w0.406: Q1#6.1 188.05,99.92 R1#11.2 188.22,99.79 190.78,97.23 190.78,95.59 190.36,95.18 190.36,90.21 187.46,87.31 U1#10.12
